# Altium PCB fastic-readout.PcbDoc (part 4 of 6)
Units mm, origin at the board's own origin, x right, y up, seen from the top; angles counter-clockwise.
Board outline 60 x 60 mm, 8 copper layers (Top Layer, L02-GND, L03-PWR, L04- Signal, L05 - Signal, L06-PWR, L07-GND, Bottom Layer), stack 1.566 mm thick; 378 components, 394 nets, 1536 pads, 1082 vias.
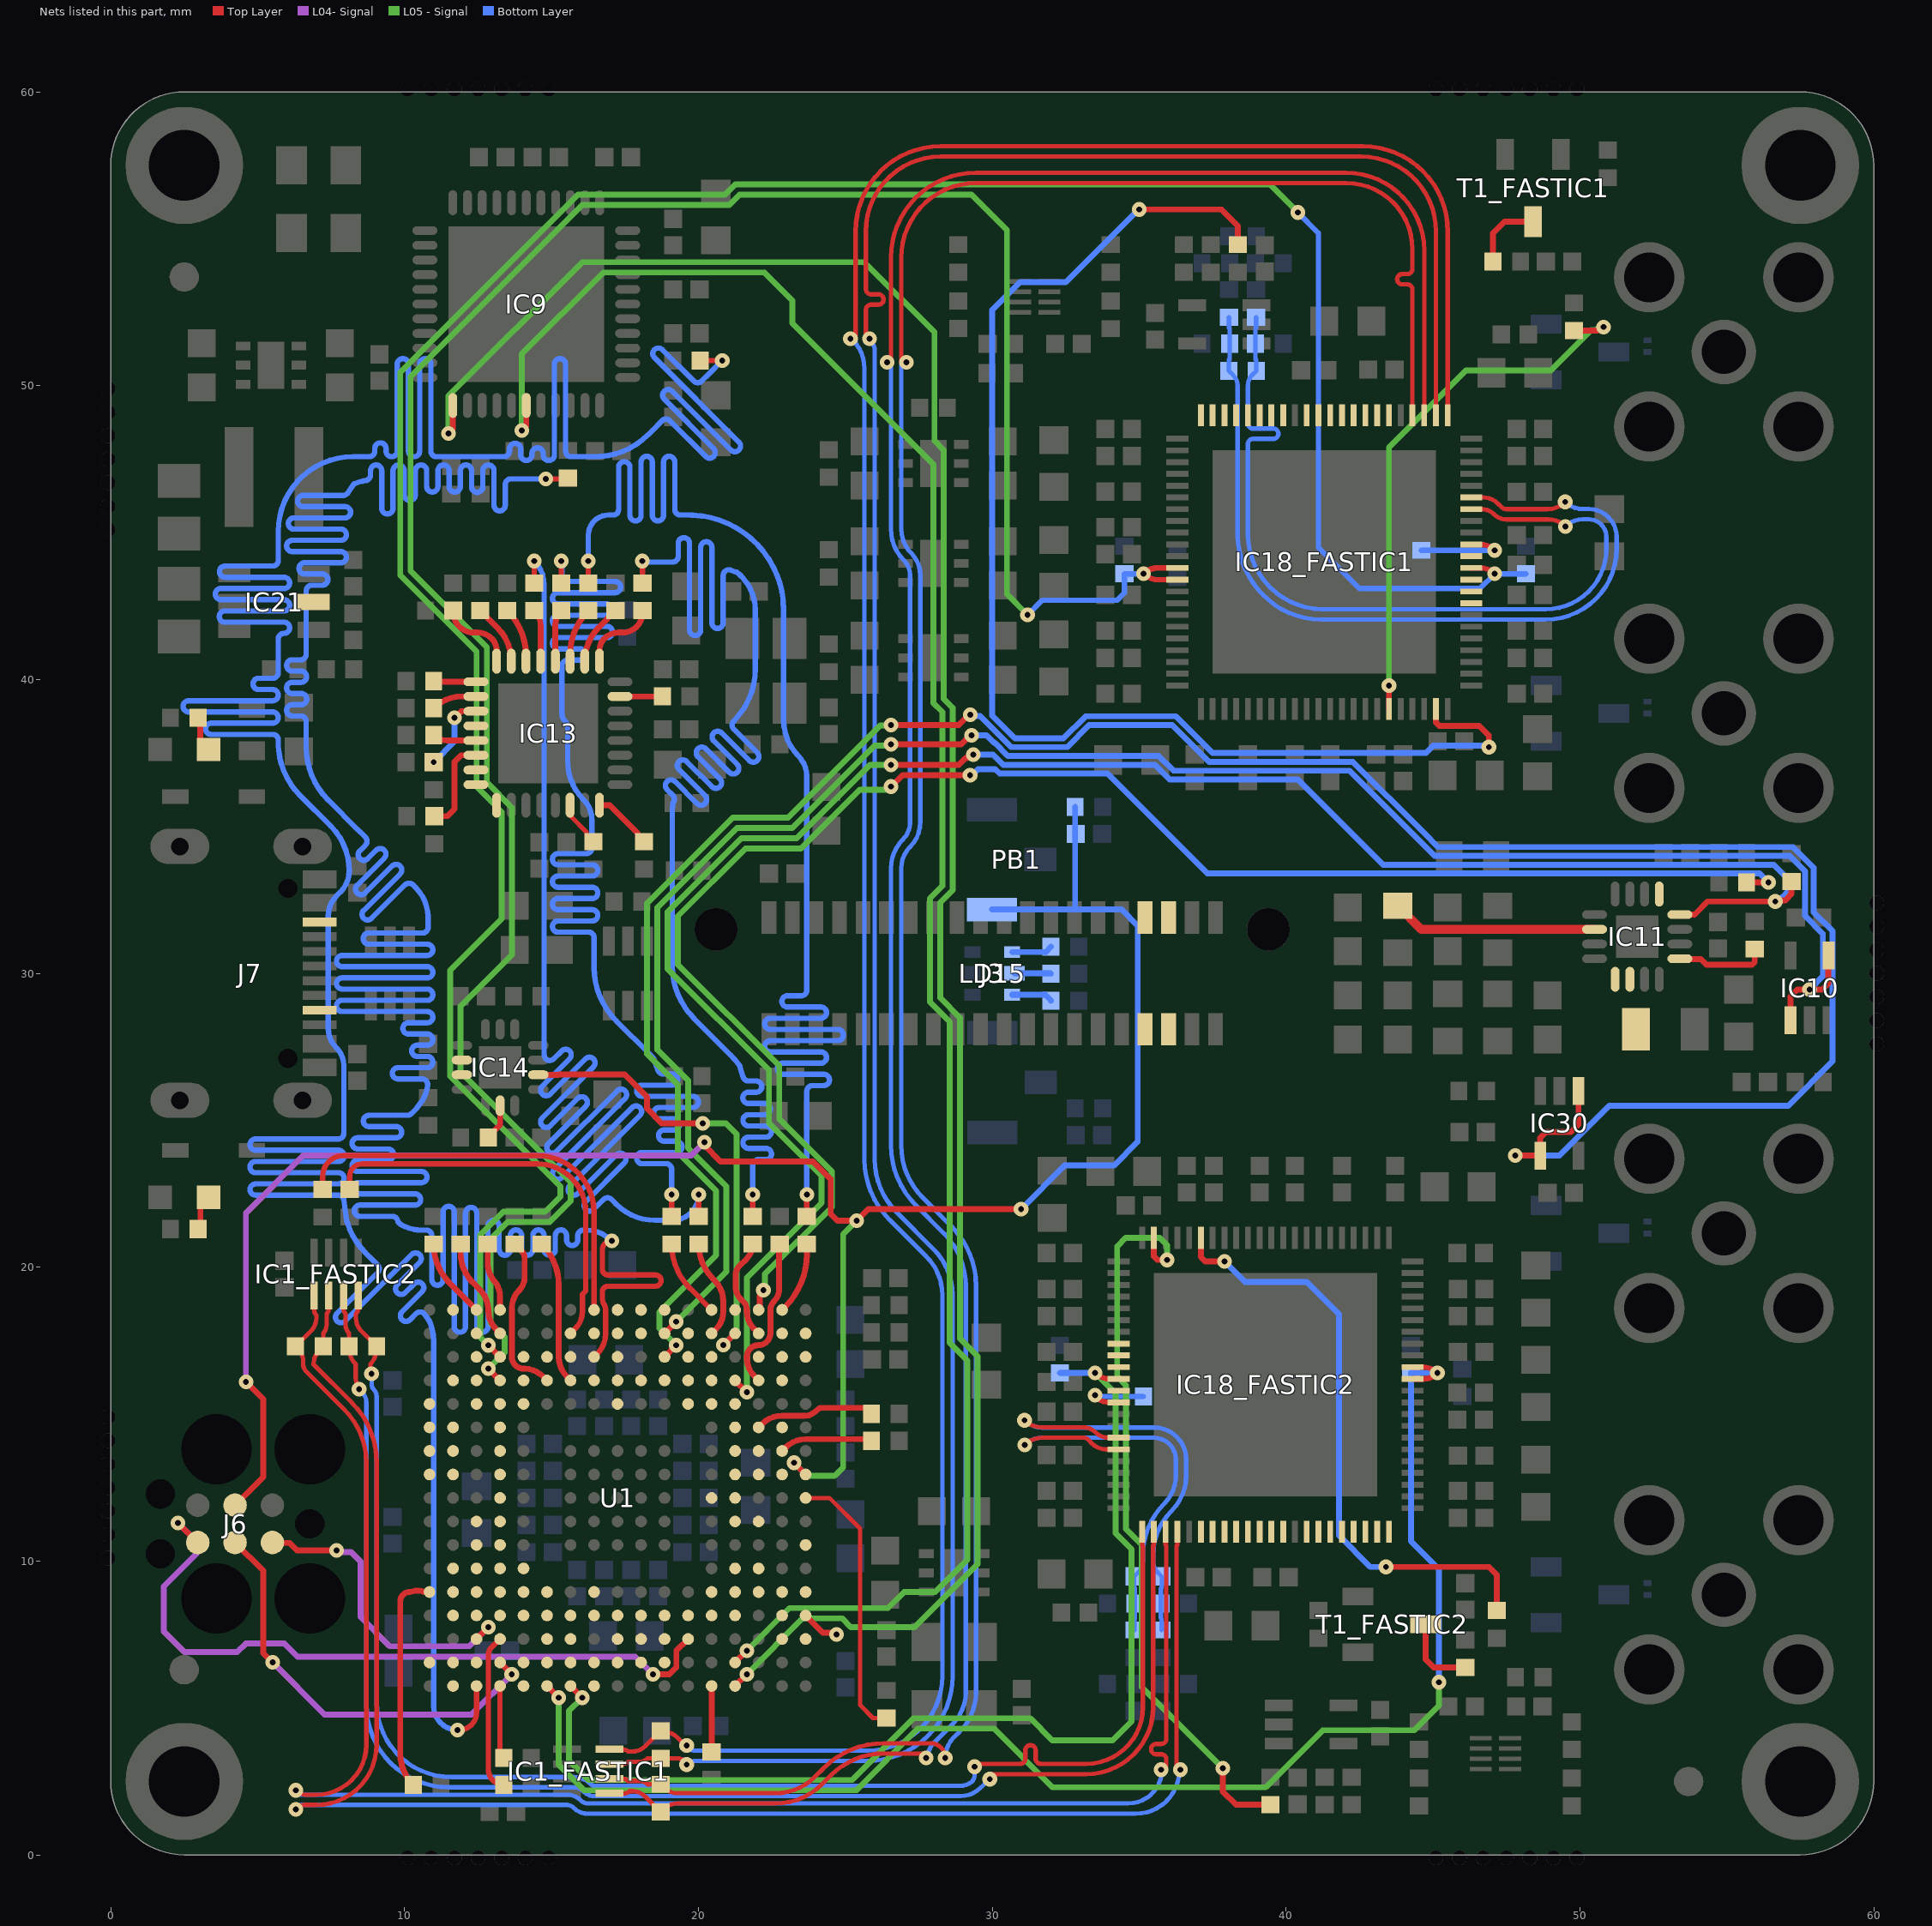
[diagram p10: the nets of this part, all layers, seen from the top]

## Via types
v1: diameter 0.5, hole 0.2, Top Layer to Bottom Layer, tented both sides, 1082 vias

## Nets (pads, with @x,y where several pads share a name; then routed paths per layer and width w, separated by ;. In a path a pad name is that pad's centre, name@x,y a point inside that pad or via, vN(x,y) a via of type N, cw(c..) or ccw(c..) an arc to the next point about the centre after c; other vN are vias at no path point) (continued)
NetIC10_1: IC10.1 IC10.4 U1.T7 | length 67.4
  Top Layer w0.2: U1.T7@18.848,17.748 v1(19.246,18.146) ; v1(26.55,37.8) 28.943,37.8 29.243,38.1 v1(29.3,38.1) ; IC10.1@57.167,28.408 57.167,29.217 57.4,29.45 v1(57.817,29.45) 58.25,29.45 58.45,29.65 58.45,30.59 IC10.4@58.467,30.608
  L05 - Signal w0.2: v1(19.246,18.146) 20.95,19.85 20.95,22.495 20.95,22.752 20.352,23.35 19.65,24.052 19.65,26.3 ; 19.65,26.352 18.602,27.4 18.602,32.242 21.31,34.95 23.195,34.95 26,37.755 26.505,37.755 v1(26.55,37.8)
  Bottom Layer w0.2: v1(29.3,38.1) 29.8,38.1 30.05,37.85 30.077,37.85 30.527,37.4 35.664,37.4 36.164,36.9 42.15,36.9 45.05,34 57.135,34 57.66,33.475 57.66,31.958 58.267,31.351 58.267,29.9 v1(57.817,29.45)
NetIC11_2: IC11.2 R54.1 | length 7
  Top Layer w0.3: R54.1@43.8,32.3 44.6,31.5 IC11.2@50.5,31.5
NetIC11_5,6: IC11.5 IC11.6 L3.1
NetIC11_9: IC11.9 R61.2 | length 3.1
  Top Layer w0.2: IC11.9@53.4,30.5 53.419,30.481 54.121,30.481 54.302,30.3 55.86,30.3 55.95,30.39 R61.2@55.95,30.83
NetIC11_12: IC11.12 R60.2 U1.P4 | length 67.8
  Top Layer w0.2: U1.P4@21.248,16.148 v1(21.646,15.75) ; v1(26.55,37.1) 28.865,37.1 29.093,37.329 29.148,37.329 29.269,37.45 v1(29.35,37.45) ; IC11.12@53.4,32 53.406,32.006 53.906,32.006 54.35,32.45 v1(56.65,32.45) 56.689,32.489 56.989,32.489 57.2,32.7 R60.2@57.2,33.13
  L05 - Signal w0.2: v1(21.646,15.75) 21.65,15.754 21.65,19.65 24.188,22.188 24.188,23.115 22.401,24.902 22.401,26.704 18.952,30.153 18.952,32.097 21.455,34.6 23.34,34.6 25.84,37.1 v1(26.55,37.1)
  Bottom Layer w0.2: v1(29.35,37.45) 30.026,37.45 30.376,37.1 35.539,37.1 36.039,36.6 40.4,36.6 43.3,33.7 56.6,33.7 57.1,33.2 57.1,32.807 56.885,32.593 56.874,32.593 56.731,32.45 v1(56.65,32.45)
NetIC11_13: IC11.13
NetIC13_1: IC13.1 R104.1 | length 2.6
  Top Layer w0.2: IC13.1@16.63,40.625 16.63,40.99 cw(c17.21,40.99) 16.8,41.4 cw(c17.283,40.917) 17.283,41.6 17.417,41.6 ccw(c17.417,42.283) 17.9,41.8 ccw(c17.432,42.268) 18.094,42.268 R104.1@18.094,42.346
NetIC13_2: IC13.2 R102.1 | length 2.1
  Top Layer w0.2: IC13.2@16.13,40.625 cw(c17.765,40.625) 16.609,41.781 R102.1@17.174,42.346
NetIC13_3: IC13.3 R99.1 | length 1.9
  Top Layer w0.2: IC13.3@15.63,40.625 15.63,40.84 cw(c17.759,40.84) R99.1@16.254,42.346
NetIC13_4: IC13.4 R98.1 | length 1.8
  Top Layer w0.2: IC13.4@15.13,40.625 15.13,41.854 cw(c15.825,41.854) R98.1@15.334,42.346
NetIC13_5: IC13.5 R97.1 | length 1.8
  Top Layer w0.2: R97.1@14.414,42.346 cw(c13.891,41.824) 14.63,41.824 IC13.5@14.63,40.625
NetIC13_6: IC13.6 R96.1 | length 1.9
  Top Layer w0.2: R96.1@13.494,42.346 cw(c11.957,40.81) 14.13,40.81 IC13.6@14.13,40.625
NetIC13_7: IC13.7 R94.1 | length 2.1
  Top Layer w0.2: R94.1@12.574,42.346 13.16,41.76 cw(c12.026,40.625) IC13.7@13.63,40.625
NetIC13_8: IC13.8 R86.1 R91.1 | length 2.6
  Top Layer w0.2: R86.1@11.666,42.346 11.666,42.268 ccw(c12.328,42.268) 11.86,41.8 ccw(c12.343,42.283) 12.343,41.6 12.477,41.6 cw(c12.477,40.917) 12.96,41.4 cw(c12.55,40.99) 13.13,40.99 IC13.8@13.13,40.625
NetIC13_9: IC13.9 R92.1 | length 1.4
  Top Layer w0.2: R92.1@10.99,39.95 ccw(c11.05,40.01) 11.05,39.925 IC13.9@12.43,39.925
NetIC13_10: IC13.10 R90.1 | length 1.5
  Top Layer w0.2: R90.1@10.99,39.03 cw(c11.944,38.076) 11.944,39.425 IC13.10@12.43,39.425
NetIC13_11: IC13.11 R87.1 R93.1 | length 2.6
  Top Layer w0.2: v1(11.7,38.7) 11.925,38.925 IC13.11@12.43,38.925
  Bottom Layer w0.2: v1(10.99,37.19) 11.7,37.9 v1(11.7,38.7)
NetIC13_12: IC13.12
NetIC13_13: IC13.13 R89.1 | length 1.5
  Top Layer w0.2: R89.1@10.99,38.11 ccw(c11.436,38.556) 11.436,37.925 IC13.13@12.43,37.925
NetIC13_14: IC13.14 R88.1 R95.1 | length 3.2
  Top Layer w0.2: R95.1@11.01,35.35 11.45,35.35 11.7,35.6 11.7,37.2 11.925,37.425 IC13.14@12.43,37.425
NetIC13_15: IC13.15
NetIC13_16: IC13.16
NetIC13_17: IC13.17
NetIC13_22: IC13.22 R100.2 | length 1.6
  Top Layer w0.15: IC13.22@15.63,35.725 15.659,35.696 15.659,35.341 16.192,34.808 16.192,34.7 16.407,34.485 R100.2@16.427,34.485
NetIC13_24: IC13.24 R105.1 | length 2
  Top Layer w0.2: IC13.24@16.63,35.725 16.975,35.725 17.937,34.763 17.937,34.675 18.025,34.587 R105.1@18.113,34.587
NetIC13_31: IC13.31 R103.1 | length 1.4
  Top Layer w0.2: IC13.31@17.33,39.425 R103.1@18.765,39.425
NetIC14_2: IC14.2 R108.1 | length 1.3
  Top Layer w0.2: R108.1@12.85,24.415 12.85,24.435 13.25,24.835 IC14.2@13.25,25.5
NetIC14_5: IC14.5 U1.T4 | length 15.8
  Top Layer w0.2: IC14.5@14.55,26.55 15.232,26.55 15.242,26.56 17.49,26.56 18.245,25.805 18.245,25.405 18.75,24.9 v1(20.15,24.9) ; v1(20.85,17.35) U1.T4@21.248,17.748
  L05 - Signal w0.2: v1(20.15,24.9) 20.931,24.9 21.3,24.531 21.3,17.8 v1(20.85,17.35)
NetIC14_12: IC14.12
NetIC14_13: IC14.13
NetIC18_FASTIC1_17: IC18_FASTIC1.17 R31_FASTIC1.2 | length 18.9
  Top Layer w0.2: IC18_FASTIC1.17@43.5,39 v1(43.5,39.8) ; R31_FASTIC1.2@49.8,51.88 50.599,51.88 50.719,52 v1(50.8,52)
  L05 - Signal w0.2: v1(43.5,39.8) 43.5,47.9 46.125,50.525 49.009,50.525 50.381,51.897 50.533,51.897 50.579,51.943 50.754,51.943 v1@50.8,51.897
NetIC18_FASTIC1_21: IC18_FASTIC1.21 R43_FASTIC1.1 | length 45.5
  Top Layer w0.2: v1(35,56) 37.8,56 38.358,55.442 R43_FASTIC1.1@38.358,54.804 ; IC18_FASTIC1.21@45.1,39 45.1,38.542 45.217,38.425 46.575,38.425 46.9,38.1 v1(46.9,37.7)
  Bottom Layer w0.2: v1(35,56) 34.976,56 32.499,53.524 30.948,53.524 30,52.576 30,38.776 30.776,38 32.424,38 33.174,38.75 36.25,38.75 37.5,37.5 44.762,37.5 45.012,37.75 46.85,37.75 v1(46.9,37.7)
NetIC18_FASTIC1_30: IC18_FASTIC1.30
NetIC18_FASTIC1_31: IC18_FASTIC1.31
NetIC18_FASTIC1_32: IC18_FASTIC1.32
NetIC18_FASTIC1_34: IC18_FASTIC1.34
NetIC18_FASTIC1_35: IC18_FASTIC1.35 R20.1 | length 3.4
  Top Layer w0.182: IC18_FASTIC1.35@46.3,44.6 46.617,44.6 cw(c46.617,43.917) v1(47.1,44.4)
  Bottom Layer w0.182: R20.1@44.6,44.4 v1(47.1,44.4)
NetIC18_FASTIC1_50: IC18_FASTIC1.50
NetIC18_FASTIC1_51: IC18_FASTIC1.51
NetIC18_FASTIC1_52: IC18_FASTIC1.52
NetIC18_FASTIC1_53: IC18_FASTIC1.53
NetIC18_FASTIC1_54: IC18_FASTIC1.54
NetIC18_FASTIC1_55: IC18_FASTIC1.55
NetIC18_FASTIC1_56: IC18_FASTIC1.56
NetIC18_FASTIC1_57: IC18_FASTIC1.57
NetIC18_FASTIC1_59: IC18_FASTIC1.59
NetIC18_FASTIC1_60: IC18_FASTIC1.60
NetIC18_FASTIC1_61: IC18_FASTIC1.61
NetIC18_FASTIC1_62: IC18_FASTIC1.62
NetIC18_FASTIC1_63: IC18_FASTIC1.63
NetIC18_FASTIC1_64: IC18_FASTIC1.64
NetIC18_FASTIC1_65: IC18_FASTIC1.65
NetIC18_FASTIC1_66: IC18_FASTIC1.66
NetIC18_FASTIC2_17: IC18_FASTIC2.17 R31_FASTIC2.2 | length 20.8
  Top Layer w0.2: IC18_FASTIC2.17@37.1,21 37.1,20.35 37.25,20.2 v1(37.9,20.2) ; v1(43.4,9.8) 46.905,9.8 47.175,9.53 R31_FASTIC2.2@47.175,8.316
  Bottom Layer w0.2: v1(37.9,20.2) 38.6,19.5 40.7,19.5 41.8,18.4 41.8,10.872 42.872,9.8 v1(43.4,9.8)
NetIC18_FASTIC2_21: IC18_FASTIC2.21 R43_FASTIC2.1 | length 25.4
  Top Layer w0.2: IC18_FASTIC2.21@35.5,21 35.5,20.367 35.617,20.25 v1(35.95,20.25) ; v1(37.85,2.95) 37.85,2.15 38.292,1.708 R43_FASTIC2.1@39.47,1.708
  L05 - Signal w0.2: v1(35.95,20.25) 35.95,20.75 35.7,21 34.541,21 34.25,20.709 34.25,16.283 34.55,15.983 34.55,11.096 35.09,10.556 35.09,5.71 v1(37.85,2.95)
NetIC18_FASTIC2_30: IC18_FASTIC2.30
NetIC18_FASTIC2_31: IC18_FASTIC2.31
NetIC18_FASTIC2_32: IC18_FASTIC2.32
NetIC18_FASTIC2_34: IC18_FASTIC2.34
NetIC18_FASTIC2_35: IC18_FASTIC2.35 R26.1 | length 2.5
  Top Layer w0.182: v1@33.5,15.6 ccw(c33.983,16.083) 33.983,15.4 IC18_FASTIC2.35@34.3,15.4
  Bottom Layer w0.182: v1@33.5,15.6 R26.1@35.15,15.6
  other v1: 33.5,15.65
NetIC18_FASTIC2_50: IC18_FASTIC2.50
NetIC18_FASTIC2_51: IC18_FASTIC2.51
NetIC18_FASTIC2_52: IC18_FASTIC2.52
NetIC18_FASTIC2_53: IC18_FASTIC2.53
NetIC18_FASTIC2_54: IC18_FASTIC2.54
NetIC18_FASTIC2_55: IC18_FASTIC2.55
NetIC18_FASTIC2_56: IC18_FASTIC2.56
NetIC18_FASTIC2_57: IC18_FASTIC2.57
NetIC18_FASTIC2_59: IC18_FASTIC2.59
NetIC18_FASTIC2_60: IC18_FASTIC2.60
NetIC18_FASTIC2_61: IC18_FASTIC2.61
NetIC18_FASTIC2_62: IC18_FASTIC2.62
NetIC18_FASTIC2_63: IC18_FASTIC2.63
NetIC18_FASTIC2_64: IC18_FASTIC2.64
NetIC18_FASTIC2_65: IC18_FASTIC2.65
NetIC18_FASTIC2_66: IC18_FASTIC2.66
NetIC21_5: IC21.5
NetIC30_1: IC30.1 IC30.4 U1.R7 | length 85.8
  Top Layer w0.2: U1.R7@18.848,16.948 v1(19.246,17.346) ; v1(26.55,38.45) 28.865,38.45 29.215,38.8 v1(29.25,38.8) ; v1(47.8,23.8) IC30.4@48.65,23.8 48.65,24.4 48.85,24.6 49.695,24.6 49.95,24.855 IC30.1@49.95,26
  L05 - Signal w0.2: v1(19.246,17.346) 18.671,17.92 18.671,18.48 20.6,20.409 20.6,22.607 19.3,23.907 19.3,26.207 18.252,27.255 18.252,32.387 21.165,35.3 23.05,35.3 26.186,38.436 26.536,38.436 v1(26.55,38.45)
  Bottom Layer w0.2: v1(29.25,38.8) 29.288,38.762 29.59,38.762 30.651,37.7 32.549,37.7 33.299,38.45 36.126,38.45 37.376,37.2 42.274,37.2 44.687,34.787 45.174,34.3 57.259,34.3 57.96,33.599 57.96,32.082 58.6,31.442 58.6,27.012 57.088,25.5 51,25.5 49.3,23.8 v1(47.8,23.8)
NetJ3_05: J3.05
NetJ3_06: J3.06
NetJ3_07: J3.07
NetJ3_08: J3.08
NetJ7_A8: J7.A8
NetJ7_B8: J7.B8
NetLD13_1: LD13.1 R123.2 | length 1.2
  Top Layer w0.2: R123.2@2.97,21.3 3.05,21.38 3.05,22.105 LD13.1@3.325,22.38
NetLD14_1: LD14.1 R124.2 | length 1.2
  Top Layer w0.2: R124.2@2.97,38.7 3.041,38.629 3.041,37.904 LD14.1@3.325,37.62
NetLD15_2: LD15.2 R125.2 | length 1.4
  Bottom Layer w0.2: LD15.2@30.675,30.725 31.818,30.725 R125.2@32,30.907
NetLD15_4: LD15.4 R126.2 | length 1.3
  Bottom Layer w0.2: LD15.4@30.75,30 31.987,30 R126.2@32,29.987
NetLD15_6: LD15.6 R127.2 | length 1.4
  Bottom Layer w0.2: LD15.6@30.675,29.275 31.81,29.275 32,29.085 R127.2@32,29.067
NetR7_2: R7.2 U1.A15 | length 151.6
  Top Layer w0.182: v1@11.85,4.25 ccw(c11.85,4.848) 12.448,4.848 U1.A15@12.448,5.748 ; R7.2@20.06,50.86 v1(20.81,50.86)
  Bottom Layer w0.182: v1(11.8,4.25) cw(c11.8,5.061) 10.989,5.061 10.989,17.487 ccw(c9.34,17.487) 10.879,18.079 ccw(c9.34,17.487) 10.841,18.17 10.683,18.397 ccw(c10.526,18.288) 10.391,18.423 10.181,18.213 cw(c10.046,18.348) 9.911,18.213 cw(c10.046,18.348) 9.911,18.483 10.595,19.168 ccw(c10.46,19.303) 10.595,19.438 ccw(c10.46,19.303) 10.325,19.438 10.018,19.131 cw(c9.883,19.266) 9.748,19.131 cw(c9.883,19.266) 9.748,19.401 10.509,20.162 ccw(c10.374,20.297) 10.509,20.432 ccw(c10.374,20.297) 10.239,20.432 7.972,18.165 cw(c7.837,18.3) 7.702,18.165 cw(c7.837,18.3) 7.702,18.435 9.078,19.811 ccw(c8.943,19.946) 9.078,20.081 8.808,20.351 8.743,20.416 8.674,20.485 cw(c10.47,22.281) 8.044,21.529 cw(c10.47,22.281) 8.018,21.62 7.93,22.281 7.929,22.288 ccw(c7.74,22.263) 7.74,22.454 4.929,22.454 cw(c4.929,22.645) 4.929,22.836 7.748,22.836 ccw(c7.748,23.027) 7.748,23.218 4.929,23.218 cw(c4.929,23.409) 4.929,23.6 7.748,23.6 ccw(c7.748,23.791) 7.748,23.982 4.929,23.982 cw(c4.929,24.173) 4.929,24.364 7.739,24.364 ccw(c7.739,24.555) 7.93,24.555 7.93,25.028 7.93,26.862 ccw(c7.076,26.862) 7.68,27.465 cw(c8.356,28.141) 7.4,28.141 7.4,31.958 cw(c8.356,31.958) 7.68,32.634 7.811,32.765 ccw(c7.079,33.498) 8.115,33.498 ccw(c5.974,33.498) 7.488,35.012 6.444,36.056 cw(c8.24,37.852) 5.712,37.605 cw(c8.24,37.852) 5.7,37.852 5.7,37.943 ccw(c5.509,37.943) 5.509,38.134 3.414,38.134 cw(c3.414,38.325) 3.414,38.516 5.509,38.516 ccw(c5.509,38.707) 5.509,38.898 2.65,38.898 cw(c2.65,39.089) 2.65,39.28 5.509,39.28 ccw(c5.509,39.471) 5.509,39.662 5.032,39.662 cw(c5.032,39.853) 5.032,40.044 5.509,40.044 ccw(c5.509,40.235) 5.7,40.235 5.7,41.381 cw(c5.891,41.381) 5.891,41.572 5.894,41.572 ccw(c5.894,41.763) 5.894,41.954 3.882,41.954 cw(c3.882,42.145) 3.882,42.336 5.894,42.336 ccw(c5.894,42.527) 5.894,42.718 3.747,42.718 cw(c3.747,42.909) 3.747,43.1 5.894,43.1 ccw(c5.894,43.291) 5.894,43.482 3.889,43.482 cw(c3.889,43.673) 3.889,43.864 5.509,43.864 ccw(c5.509,44.055) 5.7,44.055 5.7,44.847 5.7,45.045 cw(c8.24,45.045) 8.24,47.585 8.703,47.585 8.794,47.585 ccw(c8.794,47.776) 8.985,47.776 8.985,47.868 cw(c9.176,47.868) 9.367,47.868 9.367,47.776 ccw(c9.558,47.776) 9.749,47.776 9.749,50.732 cw(c9.94,50.732) 10.131,50.732 10.131,47.776 ccw(c10.322,47.776) 10.513,47.776 10.513,50.732 cw(c10.704,50.732) 10.895,50.732 10.895,47.776 ccw(c11.086,47.776) 11.086,47.585 13.378,47.585 ccw(c13.378,47.776) 13.569,47.776 13.569,47.848 cw(c13.76,47.848) 13.951,47.848 13.951,47.647 ccw(c14.142,47.647) 14.333,47.647 14.333,47.698 cw(c14.524,47.698) 14.715,47.698 14.715,47.647 ccw(c14.906,47.647) 15.097,47.647 15.097,50.732 cw(c15.288,50.732) 15.479,50.732 15.479,47.776 ccw(c15.67,47.776) 15.67,47.585 16.484,47.585 16.583,47.587 ccw(c16.484,50.125) 16.674,47.592 ccw(c16.484,50.125) 18.28,48.329 18.425,48.475 18.76,48.809 cw(c18.895,48.674) 19.03,48.809 20.248,47.591 ccw(c20.383,47.726) 20.518,47.591 ccw(c20.383,47.726) 20.518,47.862 18.837,49.543 cw(c18.972,49.678) 18.837,49.813 cw(c18.972,49.678) 19.107,49.813 21.107,47.812 ccw(c21.243,47.947) 21.378,47.812 ccw(c21.243,47.947) 21.378,48.082 18.502,50.958 cw(c18.637,51.093) 18.502,51.228 cw(c18.637,51.093) 18.772,51.228 19.84,50.16 ccw(c19.975,50.295) 20.11,50.16 20.35,50.4 v1(20.81,50.86)
NetR8_2: R8.2 U1.R10 | length 157.1
  Top Layer w0.182: v1(14.81,46.83) R8.2@15.56,46.83 ; U1.R10@16.439,16.96 ccw(c15.897,17.733) 16.841,17.733 16.841,18.359 16.839,18.553 ccw(c16.448,18.548) 16.835,18.6 ccw(c16.448,18.548) 16.835,18.605 ccw(c16.448,18.548) 16.812,18.689 ccw(c16.448,18.548) 16.764,18.778 cw(c16.912,18.884) 16.762,18.78 16.73,18.883 16.73,19.162 cw(c16.921,19.162) 16.921,19.353 18.539,19.353 ccw(c18.539,19.544) 18.539,19.735 16.921,19.735 cw(c16.921,19.926) 16.73,19.926 16.73,20.523 16.73,20.584 cw(c17.048,20.584) v1(17.048,20.902)
  Bottom Layer w0.182: v1(14.81,46.83) 14.25,46.83 13.616,46.83 ccw(c13.616,46.639) 13.425,46.639 13.425,45.932 cw(c13.234,45.932) 13.043,45.932 13.043,47.112 ccw(c12.852,47.112) 12.661,47.112 12.661,46.563 cw(c12.47,46.563) 12.279,46.563 12.279,47.112 ccw(c12.088,47.112) 11.897,47.112 11.897,46.573 cw(c11.706,46.573) 11.515,46.573 11.515,47.112 ccw(c11.324,47.112) 11.133,47.112 11.133,46.573 cw(c10.942,46.573) 10.751,46.573 10.751,47.112 ccw(c10.56,47.112) 10.369,47.112 10.369,46.29 cw(c10.178,46.29) 9.987,46.29 9.987,47.112 ccw(c9.796,47.112) 9.605,47.112 9.605,45.828 cw(c9.414,45.828) 9.223,45.828 9.223,47.112 ccw(c9.032,47.112) 8.841,47.112 8.841,46.964 cw(c8.65,46.964) 8.67,46.774 8.65,46.772 ccw(c9.19,44.29) 8.559,46.75 ccw(c9.19,44.29) 8.274,46.659 8.063,46.351 cw(c7.905,46.459) 7.905,46.268 6.547,46.268 ccw(c6.547,46.077) 6.547,45.886 7.971,45.886 cw(c7.971,45.695) 7.971,45.504 6.233,45.504 ccw(c6.233,45.313) 6.233,45.122 7.827,45.122 cw(c7.827,44.931) 7.827,44.74 6.173,44.74 ccw(c6.173,44.549) 6.173,44.358 7.827,44.358 cw(c7.827,44.167) 7.827,43.976 6.597,43.976 ccw(c6.597,43.785) 6.597,43.594 7.198,43.594 cw(c7.198,43.403) 7.198,43.212 6.841,43.212 ccw(c6.841,43.021) 6.65,43.021 6.65,41.784 6.65,41.167 6.65,40.863 cw(c6.459,40.863) 6.459,40.672 6.173,40.672 ccw(c6.173,40.481) 6.173,40.29 6.476,40.29 cw(c6.476,40.099) 6.476,39.908 6.173,39.908 ccw(c6.173,39.717) 6.173,39.526 6.477,39.526 cw(c6.477,39.335) 6.477,39.144 6.173,39.144 ccw(c6.173,38.953) 6.173,38.762 6.459,38.762 cw(c6.459,38.571) 6.65,38.571 6.65,38.48 6.65,37.702 ccw(c9.19,37.702) 7.392,35.908 ccw(c9.19,37.702) 7.394,35.906 8.41,34.89 8.474,34.826 8.665,34.635 cw(c8.53,34.5) 8.665,34.365 8.476,34.176 ccw(c8.611,34.041) 8.476,33.906 ccw(c8.611,34.041) 8.746,33.906 9.036,34.195 cw(c9.171,34.06) 9.306,34.195 cw(c9.171,34.06) 9.306,33.925 8.386,33.006 ccw(c8.521,32.871) 8.386,32.735 ccw(c8.521,32.871) 8.656,32.735 9.576,33.655 cw(c9.711,33.52) 9.846,33.655 cw(c9.711,33.52) 9.846,33.385 8.607,32.146 ccw(c8.742,32.011) 8.607,31.875 ccw(c8.742,32.011) 8.877,31.875 10.016,33.014 cw(c10.151,32.879) 10.286,33.014 10.35,32.95 10.367,32.933 cw(c9.32,31.887) 10.788,32.072 cw(c9.32,31.887) 10.797,31.981 10.8,31.887 10.8,31.567 cw(c10.609,31.567) 10.609,31.376 8.782,31.376 ccw(c8.782,31.185) 8.782,30.994 10.77,30.994 cw(c10.77,30.803) 10.77,30.612 7.873,30.612 ccw(c7.873,30.421) 7.873,30.23 10.77,30.23 cw(c10.77,30.039) 10.961,30.039 cw(c10.77,30.039) 10.77,29.848 7.873,29.848 ccw(c7.873,29.657) 7.873,29.466 10.77,29.466 cw(c10.77,29.275) 10.77,29.084 7.873,29.084 ccw(c7.873,28.893) 7.873,28.702 10.77,28.702 cw(c10.77,28.511) 10.77,28.32 10.132,28.32 ccw(c10.132,28.129) 10.132,27.938 10.77,27.938 cw(c10.77,27.747) 10.77,27.556 10.432,27.556 ccw(c10.432,27.365) 10.432,27.174 10.77,27.174 cw(c10.77,26.983) 10.77,26.792 9.772,26.792 ccw(c9.772,26.601) 9.772,26.41 10.592,26.41 cw(c10.592,26.219) 10.782,26.201 10.775,26.124 cw(c9.378,26.389) 10.755,26.033 cw(c9.378,26.389) 10.664,25.783 cw(c9.378,26.389) 10.645,25.743 cw(c9.378,26.389) 10.594,25.652 10.405,25.406 10.225,25.226 cw(c10.09,25.361) 10.09,25.17 8.785,25.17 ccw(c8.785,24.979) 8.785,24.788 9.708,24.788 cw(c9.708,24.597) 9.708,24.406 8.403,24.406 ccw(c8.403,24.215) 8.403,24.024 9.435,24.024 cw(c9.435,23.833) 9.435,23.642 8.403,23.642 ccw(c8.403,23.451) 8.403,23.26 10.572,23.26 cw(c10.572,23.069) 10.572,22.878 8.403,22.878 ccw(c8.403,22.687) 8.403,22.496 10.356,22.496 cw(c10.356,22.305) 10.356,22.114 8.478,22.114 ccw(c8.478,21.923) 8.478,21.732 9.577,21.732 cw(c9.577,21.541) 9.757,21.606 9.78,21.541 ccw(c10.563,22.185) 9.847,21.468 ccw(c10.588,22.7) 9.877,21.45 ccw(c10.588,22.7) 10.328,21.286 ccw(c10.588,22.7) 10.39,21.276 ccw(c10.588,22.7) 10.481,21.266 10.588,21.262 10.735,21.262 cw(c10.735,21.071) 10.926,21.071 10.926,19.578 ccw(c11.117,19.578) 11.308,19.578 11.308,21.881 cw(c11.499,21.881) 11.69,21.881 11.69,17.978 ccw(c11.881,17.978) 12.072,17.978 12.072,21.847 cw(c12.263,21.847) 12.454,21.847 12.454,17.978 ccw(c12.645,17.978) 12.836,17.978 12.836,21.406 cw(c13.027,21.406) 13.218,21.406 13.218,20.599 ccw(c13.409,20.599) 13.6,20.599 13.6,21.079 cw(c13.791,21.079) 13.982,21.079 13.982,20.599 ccw(c14.173,20.599) 14.364,20.599 14.364,21.079 cw(c14.555,21.079) 14.746,21.079 14.746,20.599 ccw(c14.937,20.599) 15.128,20.599 15.128,21.079 cw(c15.319,21.079) 15.51,21.079 15.51,20.929 ccw(c15.701,20.929) 15.892,20.929 15.892,21.071 cw(c16.083,21.071) 16.083,21.262 16.174,21.262 16.178,21.262 cw(c16.178,20.033) v1(17.048,20.902) ; v1@16.991,20.846 v1@17.066,20.771
NetR10_2: R10.2 U1.C14 | length 5.4
  Top Layer w0.182: U1.C14@13.248,7.348 12.95,7.05 ccw(c13.191,6.809) 12.85,6.809 12.85,2.906 ccw(c13.373,2.906) R10.2@13.373,2.383
NetR17_2: R17.2 U1.A14 | length 2.5
  Top Layer w0.182: U1.A14@13.248,5.748 13.248,3.428 ccw(c13.373,3.428) R17.2@13.373,3.303
NetR24_2: R24.2 U1.U10 | length 14.5
  Top Layer w0.182: R24.2@7.2,22.648 R24.2@7.209,22.648 7.209,23.088 cw(c7.921,23.088) 7.921,23.8 14.511,23.8 cw(c14.511,21.863) 16.448,21.863 U1.U10@16.448,18.548
NetR25_2: R25.2 U1.T11 | length 14
  Top Layer w0.182: R25.2@8.129,22.648 8.129,23.088 cw(c8.559,23.088) 8.559,23.518 14.511,23.518 cw(c14.511,21.863) 14.522,23.518 cw(c14.511,21.863) 14.973,23.452 cw(c14.511,21.863) 16.166,21.863 16.166,19.193 16.05,19.078 16.05,18.5 cw(c15.206,18.5) 15.803,17.903 U1.T11@15.648,17.748
NetR30_FASTIC1_1: R30_FASTIC1.1 T1_FASTIC1.3 | length 2.5
  Top Layer w0.2: R30_FASTIC1.1@47.04,54.23 47.04,55.19 47.43,55.58 T1_FASTIC1.3@48.4,55.58
NetR30_FASTIC2_1: R30_FASTIC2.1 T1_FASTIC2.3 | length 2.7
  Top Layer w0.2: T1_FASTIC2.3@44.75,7.846 44.75,6.65 45.024,6.376 R30_FASTIC2.1@46.1,6.376
NetR56_1: R56.1 U1.U3 | length 58.1
  Top Layer w0.2: U1.U3@22.048,18.548 22.086,18.586 22.086,19.017 22.209,19.141 v1(22.209,19.222) ; v1@26.561,36.361 26.95,36.75 v1(29.246,36.75) ; R56.1@55.67,33.1 v1(56.415,33.1)
  L05 - Signal w0.2: v1(22.209,19.222) 22.267,19.279 22.267,19.772 24.538,22.043 24.538,23.26 22.751,25.047 22.751,26.849 19.302,30.298 19.302,31.952 21.6,34.25 23.485,34.25 25.485,36.25 26.358,36.25 26.469,36.361 v1(26.55,36.361)
  Bottom Layer w0.2: v1(29.246,36.75) 29.313,36.75 29.513,36.95 30.101,36.95 30.251,36.8 33.915,36.8 37.315,33.4 56.115,33.4 v1(56.415,33.1)
NetR68_2: R68.2 U1.U5 | length 2.7
  Top Layer w0.182: R68.2@19.088,20.788 ccw(c21.212,20.788) 19.709,19.286 ; 19.71,19.286 U1.U5@20.448,18.548